# Altium PCB vme64x6U_ctrlc.PcbDoc (part 16 of 16)
Units mm, origin at the board's own origin, x right, y up, seen from the top; angles counter-clockwise.
Board outline 440 x 340 mm, 6 copper layers (TopLayer, PlaneGnd, PlanePwr, MidLayer3, MidLayer4, BottomLayer); 407 components, 1301 nets, 2174 pads, 980 vias.
Unrouted connection lines stored in the file: 264.
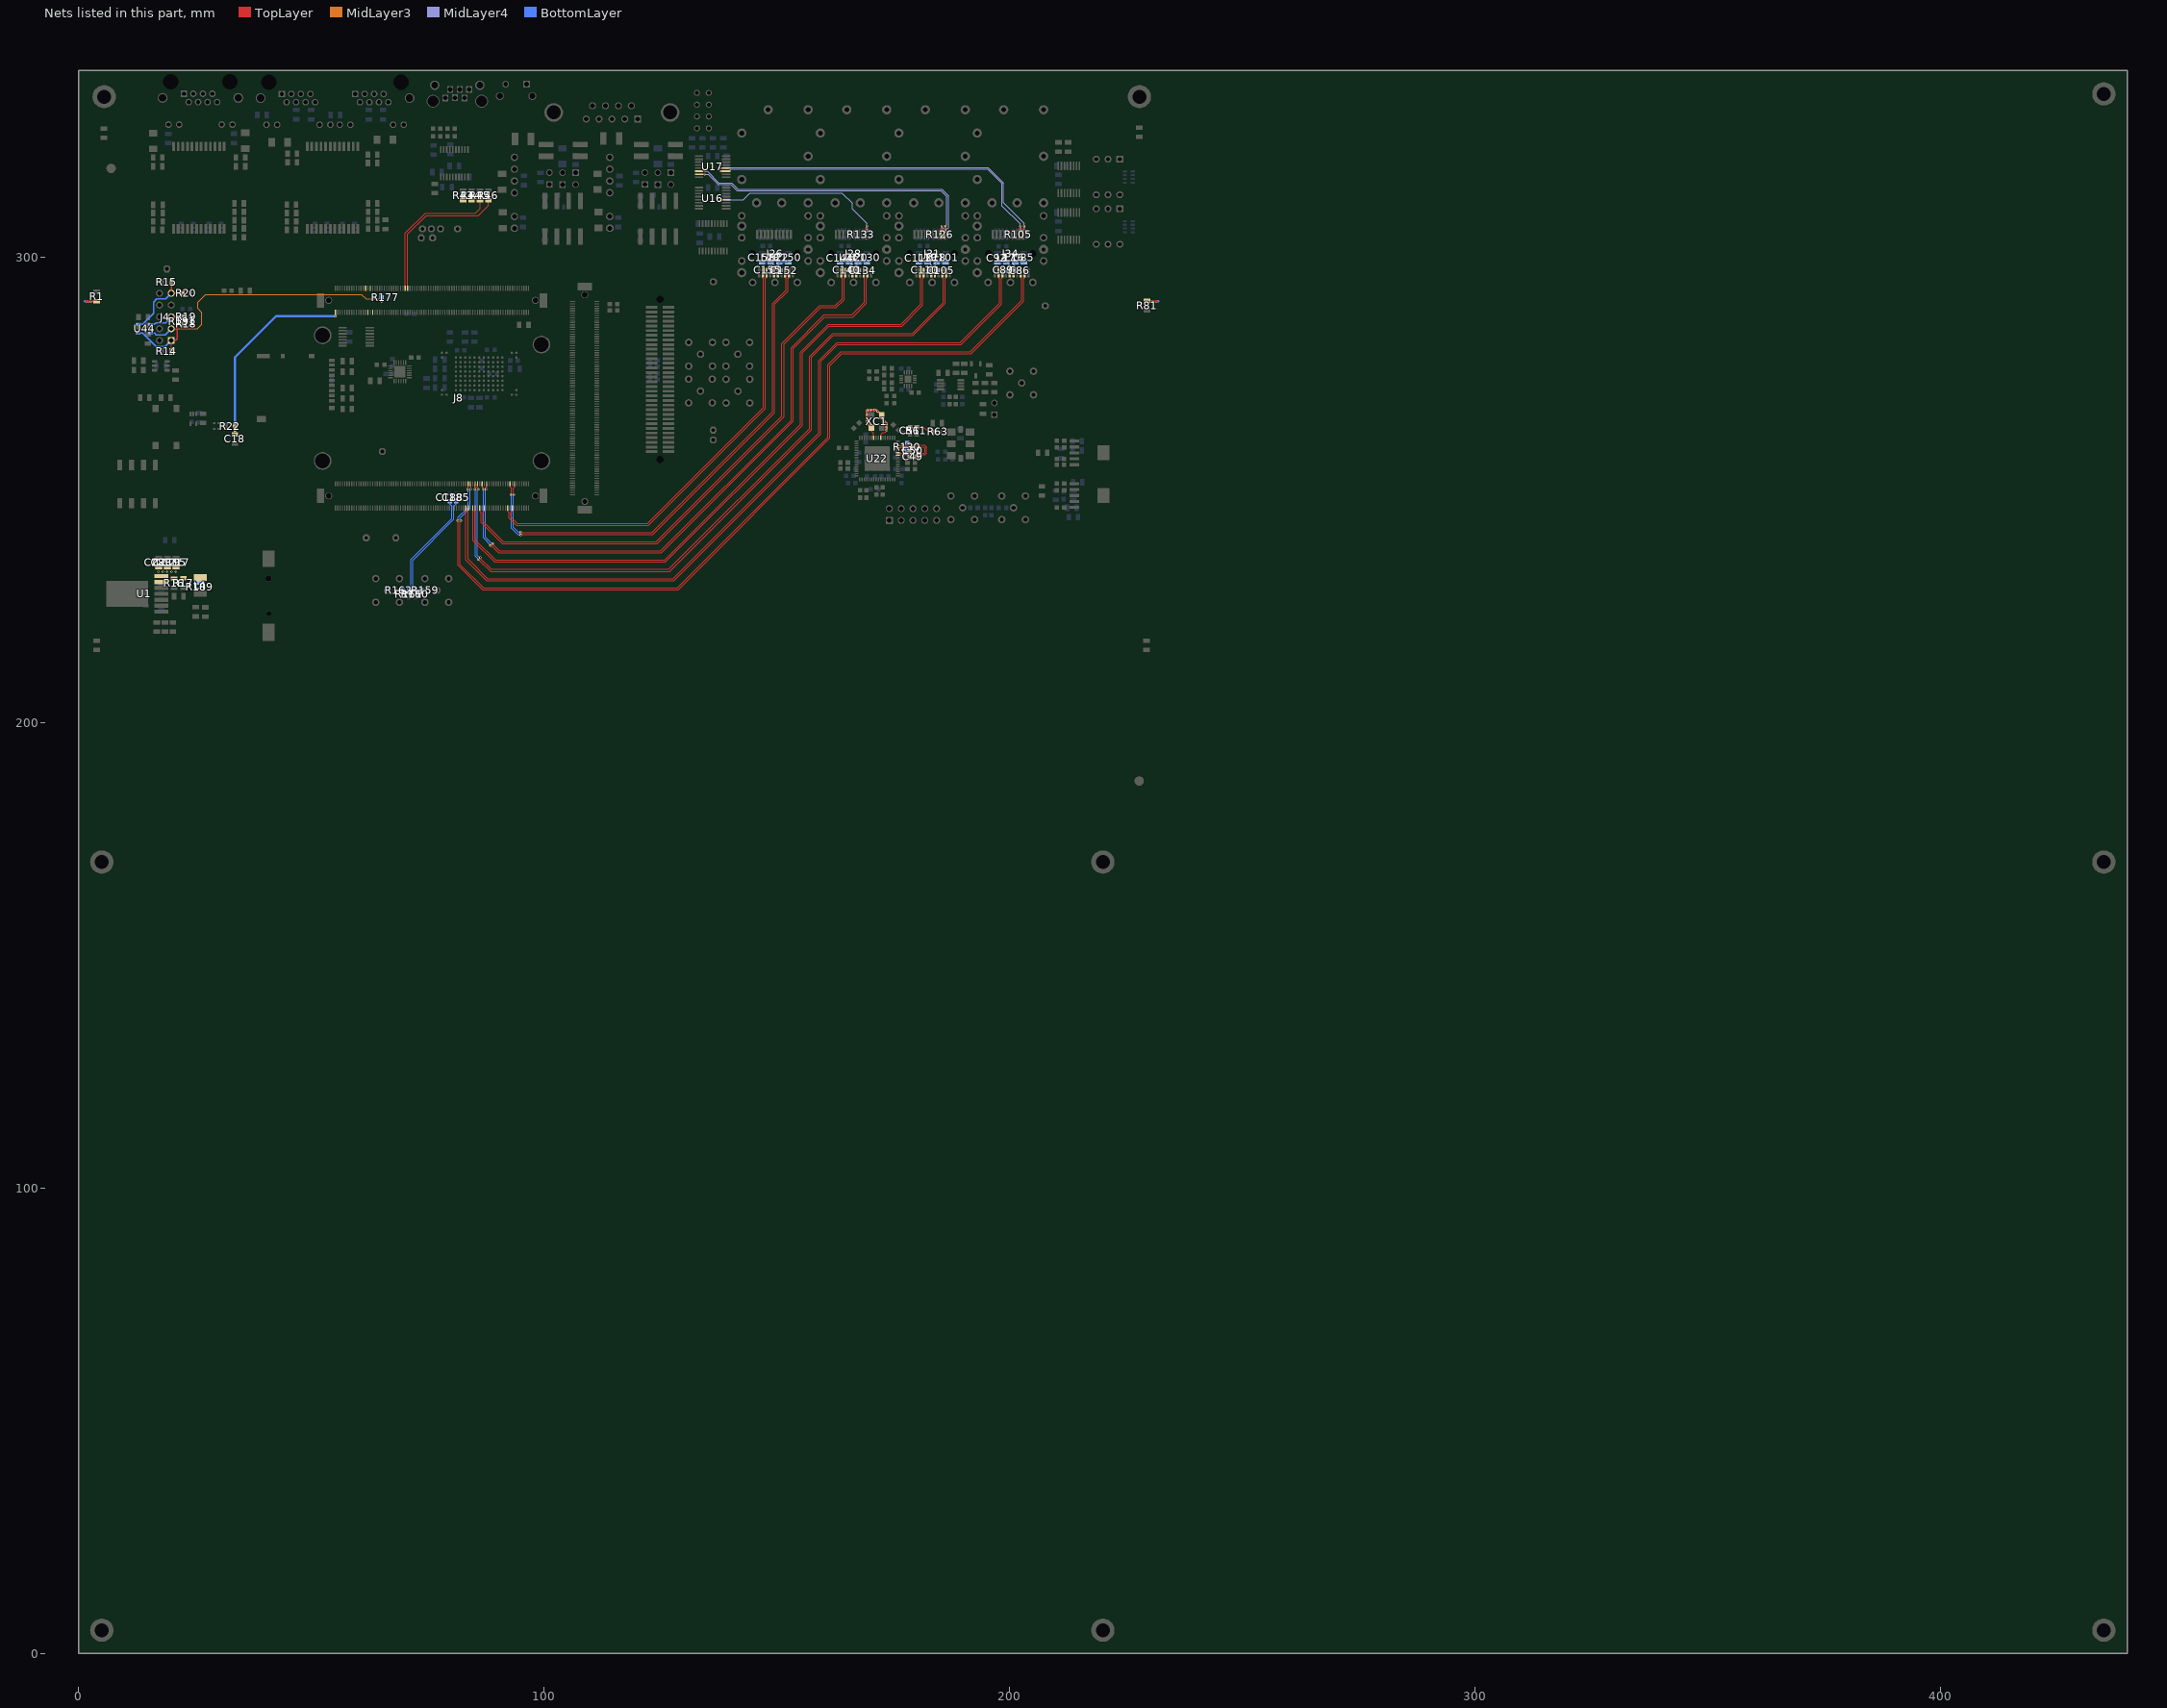
[diagram p20: the nets of this part, all layers, seen from the top]

## Via types
v1: diameter 0.5, hole 0.2, TopLayer to BottomLayer, tented both sides, 980 vias

## Nets (pads, with @x,y where several pads share a name; then routed paths per layer and width w, separated by ;. In a path a pad name is that pad's centre, name@x,y a point inside that pad or via, vN(x,y) a via of type N, cw(c..) or ccw(c..) an arc to the next point about the centre after c; other vN are vias at no path point) (continued)
SFP_IO_1.TxFault: J28.2 R133.8 U16.12 | length 40.6
  TopLayer w0.15: v1(137.6,312.275) U16.12@139.095,312.275
  TopLayer w0.3: J28.2@169.05,304.8 169.05,305.95 169.305,306.205 v1(169.305,306.595)
  MidLayer4 w0.15: v1(137.6,312.275) 142.747,312.275 144.217,313.745 163.833,313.745 163.958,313.745 166.195,311.508 166.195,310.33 169.305,307.22 v1(169.305,306.595)
  BottomLayer w0.15: R133.8@169.305,305.7 v1(169.305,306.595)
SFP_IO_2.TxDis: J31.3 R126.7 U17.6 | length 67.1
  TopLayer w0.15: U17.6@133.4,318.4 v1(134.75,318.4)
  TopLayer w0.3: J31.3@185.125,304.8 185.125,305.95 185.38,306.205 v1(185.38,306.595)
  MidLayer4 w0.15: v1(134.75,318.4) 135.025,318.4 137.53,315.895 140.258,315.895 141.608,314.545 185.383,314.545 186.825,313.103 186.825,307 186.825,306.25 186.65,306.075 185.75,306.075 185.38,306.445 v1(185.38,306.595)
  BottomLayer w0.15: R126.7@185.38,305.7 v1(185.38,306.595)
SFP_IO_2.TxFault: J31.2 R126.8 U17.7 | length 64.4
  TopLayer w0.15: U17.7@133.4,317.75 v1(134.45,317.75)
  TopLayer w0.3: J31.2@185.925,304.8 185.925,305.95 186.18,306.205 v1(186.18,306.595)
  MidLayer4 w0.15: v1(134.45,317.75) 135.2,317.75 137.375,315.575 140.125,315.575 141.475,314.225 185.25,314.225 186.505,312.97 186.505,306.92 v1(186.18,306.595)
  BottomLayer w0.15: R126.8@186.18,305.7 v1(186.18,306.595)
SFP_IO_3.TxDis: J34.3 R105.7 U17.11 | length 76.7
  TopLayer w0.15: v1@137.895,318.4 v1(137.9,318.4) U17.11@139.095,318.4
  TopLayer w0.3: J34.3@202,304.8 202,305.95 202.255,306.205 v1(202.255,306.595)
  MidLayer4 w0.15: v1(137.9,318.4) 139.65,318.4 140.14,318.89 195.24,318.89 198.345,315.785 198.345,310.955 202.255,307.045 v1(202.255,306.595)
  BottomLayer w0.15: R105.7@202.255,305.7 v1(202.255,306.595)
SFP_IO_3.TxFault: J34.2 R105.8 U17.12 | length 77.9
  TopLayer w0.15: v1(137.6,319.05) U17.12@139.095,319.05
  TopLayer w0.3: J34.2@202.8,304.8 202.8,305.95 203.055,306.205 v1(203.055,306.595)
  MidLayer4 w0.15: v1(137.6,319.05) 139.59,319.05 139.75,319.21 195.373,319.21 198.665,315.918 198.665,311.61 203.055,307.22 v1(203.055,306.595)
  BottomLayer w0.15: R105.8@203.055,305.7 v1(203.055,306.595)
SFP_RX_0.IO_N: J8.B20 J26.13 | length 97.7
  TopLayer w0.25: J8.B20@92.175,246.05 92.175,245.375 92.463,245.088 92.463,243.863 94,242.325 122.404,242.325 147.55,267.471 147.55,295.3 147.75,295.5 J26.13@147.75,296.625
SFP_RX_0.IO_P: J8.B16 J26.12 | length 96.3
  TopLayer w0.25: J8.B16@93.175,246.05 93.175,245.375 92.888,245.088 92.888,244.039 94.176,242.75 122.228,242.75 147.125,267.647 147.125,295.325 146.95,295.5 J26.12@146.95,296.625
SFP_RX_1.IO_N: J8.B44 J28.13 | length 119.8
  TopLayer w0.25: J8.B44@86.175,246.05 86.175,245.375 86.463,245.088 86.463,242.963 91.05,238.375 124.25,238.375 151.5,265.625 151.5,281.224 159.351,289.075 162.725,289.075 164.463,290.813 164.463,295.287 164.65,295.475 J28.13@164.65,296.6
SFP_RX_1.IO_P: J8.B40 J28.12 | length 118.4
  TopLayer w0.25: J8.B40@87.175,246.05 87.175,245.375 86.888,245.088 86.888,243.139 91.226,238.8 124.074,238.8 151.075,265.801 151.075,281.4 159.175,289.5 162.549,289.5 164.038,290.989 164.038,295.287 163.85,295.475 J28.12@163.85,296.6
SFP_RX_2.IO_N: J8.B50 J31.13 | length 144.6
  TopLayer w0.25: J8.B50@84.675,246.05 84.675,245.375 84.713,245.338 84.713,239.061 89.349,234.425 126.076,234.425 155.45,263.799 155.45,279.374 161.201,285.125 176.814,285.125 181.313,289.624 181.313,295.262 181.525,295.475 J31.13@181.525,296.6
SFP_RX_2.IO_P: J8.B48 J31.12 | length 143.1
  TopLayer w0.25: J8.B48@85.175,246.05 85.175,245.375 85.138,245.338 85.138,242.663 85.138,239.238 89.525,234.85 125.9,234.85 155.025,263.975 155.025,279.55 161.025,285.55 176.638,285.55 180.888,289.8 180.888,295.312 180.725,295.475 J31.12@180.725,296.6
SFP_RX_3.IO_N: J8.B56 J34.13 | length 168.5
  TopLayer w0.25: J8.B56@83.175,246.05 83.175,245.375 83.213,245.338 83.213,234.911 87.649,230.475 127.894,230.475 159.4,261.981 159.4,277.524 163.051,281.175 189.526,281.175 198.213,289.861 198.213,295.287 198.4,295.475 J34.13@198.4,296.6
SFP_RX_3.IO_P: J8.B54 J34.12 | length 167.1
  TopLayer w0.25: J8.B54@83.675,246.05 83.675,245.375 83.638,245.338 83.638,235.088 87.825,230.9 127.718,230.9 158.975,262.157 158.975,277.7 162.875,281.6 189.35,281.6 197.788,290.038 197.788,295.287 197.6,295.475 J34.12@197.6,296.6
SFP_TX_0.IO_N: J8.B17 J26.19 | length 109.3
  TopLayer w0.25: J8.B17@92.675,251.25 92.675,250.575 92.963,250.288 92.963,249.097 v1(92.84,248.975) ; v1(94.975,240.228) v1@95.098,240.35 ; v1@94.975,240.35 123.33,240.35 149.525,266.545 149.525,289.788 152.388,292.65 152.388,295.287 152.575,295.475 J26.19@152.575,296.6
  BottomLayer w0.25: v1(92.84,248.975) 92.963,248.852 92.963,241.731 94.344,240.35 94.853,240.35 v1(94.975,240.228)
SFP_TX_0.IO_P: J8.B13 J26.18 | length 107.7
  TopLayer w0.25: v1(93.51,248.975) 93.388,249.097 93.388,250.288 93.675,250.575 J8.B13@93.675,251.25 ; v1(94.975,240.898) 95.098,240.775 123.154,240.775 149.1,266.721 149.1,289.964 151.963,292.826 151.963,295.287 151.775,295.475 J26.18@151.775,296.6
  BottomLayer w0.25: v1(93.51,248.975) 93.388,248.852 93.388,241.908 94.52,240.775 94.853,240.775 v1(94.975,240.898)
SFP_TX_1.IO_N: J8.B41 J28.19 | length 133.5
  TopLayer w0.25: J8.B41@86.675,251.25 86.675,250.575 86.849,250.401 v1(86.849,250.075) ; v1(88.451,237.951) 88.625,237.951 90.176,236.4 91.999,236.4 125.164,236.4 153.475,264.711 153.475,280.299 160.276,287.1 166.326,287.1 169.263,290.036 169.263,295.287 169.45,295.475 J28.19@169.45,296.6
  BottomLayer w0.25: v1(86.849,250.075) 86.984,249.939 86.984,239.591 88.451,238.124 v1(88.451,237.951)
SFP_TX_1.IO_P: J8.B37 J28.18 | length 132.1
  TopLayer w0.25: v1(87.545,250.075) 87.545,250.445 87.675,250.575 J8.B37@87.675,251.25 ; v1(88.925,238.425) 88.925,238.252 90.352,236.825 92.175,236.825 124.988,236.825 153.05,264.887 153.05,280.475 160.1,287.525 166.15,287.525 168.838,290.213 168.838,295.287 168.65,295.475 J28.18@168.65,296.6
  BottomLayer w0.25: v1(87.545,250.075) 87.409,249.939 87.409,239.767 88.752,238.425 v1(88.925,238.425)
SFP_TX_2.IO_N: J8.B47 J31.19 | length 157.6
  TopLayer w0.25: v1(85.124,250.075) v1@85.175,250.126 ; J8.B47@85.175,251.25 85.175,250.575 85.213,250.537 v1@85.213,250.075 ; v1(85.838,234.938) 86.011,234.938 88.499,232.45 126.97,232.45 157.425,262.905 157.425,278.449 162.126,283.15 179.264,283.15 186.138,290.024 186.138,295.287 186.325,295.475 J31.19@186.325,296.6
  BottomLayer w0.25: v1(85.124,250.075) 85.259,249.939 85.259,235.69 85.838,235.111 v1(85.838,234.938)
SFP_TX_2.IO_P: J8.B45 J31.18 | length 156.2
  TopLayer w0.25: J8.B45@85.675,251.25 85.675,250.575 85.638,250.537 85.638,250.258 v1(85.82,250.075) ; v1(86.312,235.412) 86.312,235.238 88.675,232.875 89.72,232.875 126.794,232.875 157,263.081 157,278.625 161.95,283.575 179.088,283.575 185.713,290.2 185.713,295.287 185.525,295.475 J31.18@185.525,296.6
  BottomLayer w0.25: v1(85.82,250.075) 85.684,249.939 85.684,235.866 86.138,235.412 v1(86.312,235.412)
SFP_TX_3.IO_N: J8.B53 J34.19 | length 183.2
  TopLayer w0.25: v1(81.428,243.35) 81.55,243.227 81.55,233.724 86.774,228.5 128.8,228.5 161.375,261.075 161.375,276.624 163.951,279.2 191.714,279.2 203.013,290.499 203.013,295.287 203.2,295.475 J34.19@203.2,296.6 ; v1(83.578,250.075) 83.578,250.176 83.675,250.273 83.675,250.575 J8.B53@83.675,251.25
  BottomLayer w0.25: v1(81.428,243.35) 81.55,243.472 81.55,244.049 83.7,246.199 83.7,249.952 v1(83.578,250.075)
SFP_TX_3.IO_P: J8.B51 J34.18 | length 181.8
  TopLayer w0.25: v1(82.098,243.35) 81.975,243.227 81.975,233.9 86.95,228.925 128.624,228.925 160.95,261.251 160.95,276.8 163.775,279.625 191.538,279.625 202.588,290.675 202.588,295.287 202.4,295.475 J34.18@202.4,296.6 ; J8.B51@84.175,251.25 84.175,250.147 v1(84.248,250.075)
  BottomLayer w0.25: v1(82.098,243.35) 81.975,243.472 81.975,243.873 84.125,246.023 84.125,249.952 v1(84.248,250.075)
Start_dDCP+: 
Start_dDCP-: 
Start_hDCP: 
Start_iDCP+: 
Start_iDCP-: 
Start_sDCP+: 
Start_sDCP-: 
StripGND: R1.2 | length 3.4
  TopLayer w0.5: 1.7,290.5 R1.2@3.9,290.5
  BottomLayer w0.5: 1.4,290.5 v1(2.65,290.5)
StripGND_T: R81.2 | length 3.4
  TopLayer w0.5: R81.2@229.45,290.5 231.65,290.5
  BottomLayer w0.5: v1(230.675,290.5) 231.925,290.5
SW: 
Sync_clk: 
SYNC_In: 
SYNC_In_dds: 
SyncClk_dds: 
SyncOut_: 
SyncOut_dds: 
TCK_R: J4.1 R14.1 R18.2 U44.1 | length 16.7
  TopLayer w0.25: R14.1@19.925,279.675 19.925,282.015 J4.1@19.92,282.02 J4.1@19.96,282.06
  TopLayer w0.3: J4.1@19.96,282.06 20.86,282.06 21.225,282.425 21.225,285.25 21.475,285.5 R18.2@22.375,285.5
  BottomLayer w0.3: U44.1@12.835,283.61 13.81,283.61 16.685,280.735 18.635,280.735 J4.1@19.92,282.02
TDI_R: J4.9 R15.1 R20.2 U44.3 | length 16.1
  TopLayer w0.25: J4.9@19.92,292.18 J4.9@19.95,292.21
  TopLayer w0.3: J4.9@19.92,292.18 19.92,294.57 R15.1@19.925,294.575 ; J4.9@19.95,292.21 R20.2@22.36,292.21
  BottomLayer w0.3: U44.3@12.835,285.51 13.76,285.51 16.085,287.835 16.085,290.26 16.76,290.935 18.675,290.935 J4.9@19.92,292.18
TDO_R: J4.3 R177.2 U44.6 | length 58.8
  MidLayer3 w0.15: J4.3@19.92,284.56 25.535,284.56 26.5,285.525 26.5,288.025 25.6,288.925 25.6,290.3 27.25,291.95 60.765,291.95 61.74,290.975 64.5,290.975 v1(65.075,290.4)
  BottomLayer w0.15: v1(65.075,290.4) R177.2@65.075,291.15
  BottomLayer w0.3: U44.6@15.435,283.61 16.335,283.61 16.685,283.26 18.62,283.26 J4.3@19.92,284.56
TMS_R: J4.5 R19.2 R191.1 U44.4 | length 10.1
  TopLayer w0.3: J4.5@19.92,287.1 22.35,287.1 R19.2@22.36,287.11
  BottomLayer w0.3: U44.4@15.435,285.51 16.285,285.51 16.635,285.86 18.68,285.86 J4.5@19.92,287.1 19.945,287.125 R191.1@22.375,287.125
TX_LEMO_N: C185.1 R159.2 R160.1 | length 24.5
  BottomLayer w0.25: R159.2@73.65,228.35 72.35,228.35 R160.1@72.3,228.4 72.3,228.85 71.825,229.325 71.825,234.824 80.638,243.636 80.638,246.438 81.075,246.875 C185.1@81.075,247.475
TX_LEMO_P: C188.1 R161.1 R162.2 | length 24.4
  BottomLayer w0.25: R162.2@69.625,228.35 70.9,228.35 R161.1@70.95,228.4 70.95,228.875 71.4,229.325 71.4,235 80.213,243.813 80.213,246.438 79.775,246.875 C188.1@79.775,247.475
UART_CTS: R44.1
UART_RTS: R43.1
UART_RX: J8.A105 R46.1 | length 32.7
  TopLayer w0.25: J8.A105@70.675,293.25 70.675,304.893 74.657,308.875 85.875,308.875 88.025,311.025 R46.1@88.025,312.175
UART_TX: J8.A107 R45.1 | length 31.9
  TopLayer w0.25: J8.A107@70.175,293.25 70.175,305.1 74.45,309.375 85.225,309.375 86.225,310.375 R45.1@86.225,312.175
USB3_SSRX_N: J8.A141
USB3_SSRX_P: J8.A137
USB3_SSTX_N: J8.A140
USB3_SSTX_P: J8.A136
VBUT: C18.2 J8.A168 R22.1 | length 42.6
  TopLayer w0.2: v1(55.175,287.25) J8.A168@55.175,288.05
  TopLayer w0.25: C18.2@33.6,261.875 C18.2@33.61,261.885 v1(33.61,262.7)
  BottomLayer w0.5: v1@33.6,262.7 33.6,278.4 42.45,287.25 v1(55.175,287.25)
VCCRSFP_U_SFPplusConn_0: C155.2 C158.2 J26.15 L23.2 | length 5.5
  TopLayer w0.25: J26.15@149.375,296.6 v1(149.375,298)
  MidLayer3 w0.15: v1(149.375,298) v1@149.4,298.025
  BottomLayer w0.25: C158.2@146.775,298.825 L23.2@148.655,298.825 148.655,298.72 v1(149.375,298) 148.85,297.475 C155.2@148.85,297.125
VCCRSFP_U_SFPplusConn_1: C140.2 C144.2 J28.15 L21.2 | length 5.6
  TopLayer w0.25: J28.15@166.25,296.6 v1(166.25,298)
  MidLayer3 w0.15: v1(166.25,298) v1@166.275,298.025
  BottomLayer w0.25: C144.2@163.605,298.8 165.505,298.8 L21.2@165.53,298.825 165.53,298.72 v1(166.25,298) 165.725,297.475 C140.2@165.725,297.125
VCCRSFP_U_SFPplusConn_2: C110.2 C113.2 J31.15 L19.2 | length 5.6
  TopLayer w0.25: J31.15@183.125,296.6 v1(183.125,298)
  MidLayer3 w0.15: v1(183.125,298) v1@183.15,298.025
  BottomLayer w0.25: C113.2@180.48,298.8 182.38,298.8 L19.2@182.405,298.825 183.125,298.105 v1(183.125,298) 182.6,297.475 C110.2@182.6,297.125
VCCRSFP_U_SFPplusConn_3: C89.2 C92.2 J34.15 L17.2 | length 5.6
  TopLayer w0.25: J34.15@200,296.6 v1(200,298)
  MidLayer3 w0.15: v1(200,298) v1@200.025,298.025
  BottomLayer w0.25: C92.2@197.355,298.8 197.38,298.825 L17.2@199.28,298.825 199.28,298.72 v1(200,298) 199.475,297.475 C89.2@199.475,297.125
VCCTSFP_U_SFPplusConn_0: C150.2 C152.2 J26.16 L22.2 | length 5.4
  TopLayer w0.25: J26.16@150.175,296.6 v1(150.175,298.025)
  BottomLayer w0.3: C152.2@150.7,297.1 150.7,297.5 v1(150.175,298.025) 150.53,298.38 L22.2@150.53,298.825 C150.2@152.425,298.825
VCCTSFP_U_SFPplusConn_1: C130.2 C134.2 J28.16 L20.2 | length 5.4
  TopLayer w0.25: J28.16@167.05,296.6 v1(167.05,298.025)
  BottomLayer w0.25: C134.2@167.575,297.1 167.575,297.5 v1(167.05,298.025) 167.405,298.38 L20.2@167.405,298.825 C130.2@169.305,298.825
VCCTSFP_U_SFPplusConn_2: C101.2 C105.2 J31.16 L18.2 | length 5.4
  TopLayer w0.25: J31.16@183.925,296.6 v1(183.925,298.025)
  BottomLayer w0.25: C105.2@184.45,297.1 184.45,297.5 v1(183.925,298.025) 184.28,298.38 L18.2@184.28,298.825 C101.2@186.18,298.825
VCCTSFP_U_SFPplusConn_3: C85.2 C86.2 J34.16 L16.2 | length 5.4
  TopLayer w0.25: J34.16@200.8,296.6 v1(200.8,298.025)
  BottomLayer w0.25: C86.2@201.325,297.1 201.325,297.5 v1(200.8,298.025) 201.155,298.38 L16.2@201.155,298.825 C85.2@203.055,298.825
VD_TMP: C8.2 C11.2 C15.1 C217.2 C219.1 C223.1 L4.1 R16.1 R17.1 R189.2 U1.6 U1.7
  other v1: 17.175,232.355 18.125,232.355 19.05,232.355 19.975,232.355 20.925,232.355
XGND: U22.7 U22.10 XC1.2 XC1.4 | length 16.3
  TopLayer w0.25: XC1.4@170.325,263.3 170.325,262.5 170.775,262.05 U22.10@170.775,261.125 ; U22.7@172.275,261.125 172.275,261.775 172.725,262.225 173.25,262.225 173.575,262.55 v1(173.575,262.775)
  TopLayer w0.5: XC1.4@170.325,263.3 169.275,264.35 169.275,266.875 169.525,267.125 171.3,267.125 XC1.2@172.525,265.9 172.525,265.2 v1(173.575,264.15) v1(173.575,262.775)
  other v1: 173.575,263.425 169.275,264.6 173.05,264.675 169.275,265.4 169.275,266.225 171.6,266.825 169.375,267 170.975,267.125 170.125,267.15
XTAL: C51.1 R61.1 R63.2 | length 5.6
  TopLayer w0.25: C51.1@178.625,263.425 R61.1@180,263.425 181.5,263.425 182.5,262.425 R63.2@183.825,262.425
ZDIN_N: C49.2 R130.1 U22.62 | length 11.1
  TopLayer w0.15: U22.62@175.975,259.425 176.475,259.425 176.563,259.338 176.928,259.338 v1(177.1,259.51) ; 177.275,259.325 177.49,259.325 177.69,259.525 181.685,259.525 182.15,259.06 182.15,257.865 181.797,257.512 180.538,257.512 C49.2@180.075,257.05
  BottomLayer w0.15: v1(177.1,259.51) 177.56,259.51 R130.1@178.025,259.975
ZDIN_P: C50.2 R130.2 U22.61 | length 10
  TopLayer w0.15: U22.61@175.975,258.925 176.475,258.925 176.563,259.013 176.928,259.013 v1(177.1,258.84) ; v1@177.275,259 177.625,259 177.825,259.2 181.55,259.2 181.825,258.925 181.825,258 181.663,257.838 180.538,257.838 C50.2@180.075,258.3
  BottomLayer w0.15: v1(177.1,258.84) 177.56,258.84 R130.2@178.025,258.375
ZDO_N: C49.1 U22.58 | length 2.7
  TopLayer w0.15: U22.58@175.975,257.425 176.475,257.425 176.563,257.513 178.013,257.513 C49.1@178.475,257.05
ZDO_P: C50.1 U22.59 | length 2.7
  TopLayer w0.15: U22.59@175.975,257.925 176.475,257.925 176.563,257.838 178.013,257.838 C50.1@178.475,258.3
pads on no net: J2.6 J4.7 J4.8 J5.MH1 J5.MH2 J6.0 J7.11A J7.11B J7.12A J7.12B J7.MH1 J7.MH2 J8.0 J8.A102 J8.A114 J8.A115 J8.A116 J8.A118 J8.A122 J8.A127 J8.A128 J8.A129 J8.A131 J8.A133 J8.B8 J8.B167 J8.B168 J8.C8 J13.6 J13.9 J26.MTG1 J26.MTG2 J28.MTG1 J28.MTG2 J31.MTG1 J31.MTG2 J34.MTG1 J34.MTG2 P1.65 P1.66 U5.3 U7.8 U7.10 U7.12 U11.11 U11.14 U12.5 U12.7 U14.5 U14.7 U22.5 U23.3 U23.4 U23.5 U23.6 U23.15 U27.1 U27.5 U40.5 U41.5 U42.5 U43.5

## Polygon pours and split planes (outlines as drawn)
GND on BottomLayer "GND_BOT" (solid, remove dead copper, pour order 52): 230.225,336.575 9.725,336.575 9.725,327.05 3.125,327.05 3.125,178.725 230.225,178.725
VD_TMP on BottomLayer "VD_TMP_BOT" (solid, pour order 46): 15.675,234.325 27.6,234.325 27.6,229.25 24.425,229.25 24.425,231.4 15.675,231.4
+3.3VD on BottomLayer "LMZ_3VD3_BOT" (solid, pour order 50): 23.8,225.25 28.3,225.25 28.3,228.725 23.8,228.725
MGND on BottomLayer "BOT_SLD_RIGHT" (solid, remove dead copper, pour order 42): 232.575,337.675 222.9,337.675 222.9,327.25 232.575,327.25
MGND on BottomLayer "BOT_SLD_LEFT" (solid, remove dead copper, pour order 40): 0.775,337.675 9.7,337.675 9.7,327.05 0.775,327.05
GND on TopLayer "GND_TOP" (solid, remove dead copper, pour order 58): 230.225,336.575 9.725,336.575 9.725,327.05 3.125,327.05 3.125,178.7 230.225,178.7
+3.3VD on TopLayer "LMZ_3VD3_TOP" (solid, pour order 48): 23.8,223.75 28.3,223.75 28.3,228.875 23.8,228.875
VD_TMP on TopLayer "VD_TMP" (solid, pour order 30): 15.66,229.86 15.66,234.335 17.293,234.335 28.275,234.335 28.275,229.375 23.8,229.375 23.8,229.86
MGND on TopLayer "TOP_SLD_RIGHT" (solid, remove dead copper, pour order 44): 232.6,337.675 223.35,337.675 223.35,327.05 232.6,327.05
MGND on TopLayer "TOP_SLD_LEFT" (solid, remove dead copper, pour order 38): 0.75,337.675 9.725,337.675 9.725,327.05 0.75,327.05
GND on MidLayer4 "GND_MID4" (solid, remove dead copper, pour order 56): 230.225,336.575 9.725,336.575 9.725,327.05 3.125,327.05 3.125,178.725 230.225,178.725
GND on MidLayer3 "GND_MID3" (solid, remove dead copper, pour order 54): 230.225,336.575 9.725,336.575 9.725,327.05 3.125,327.05 3.125,178.725 230.225,178.725
GND on PlaneGnd (split plane): 439.49,0.51 0.51,0.51 0.51,217.4 2.25,217.4 2.25,326.923 14.198,326.923 14.198,321.3 14.205,321.248 14.225,321.199 14.257,321.157 14.299,321.125 14.348,321.105 14.4,321.098 73.6,321.098 73.652,321.105 73.701,321.125 73.743,321.157 73.775,321.199 73.795,321.248 73.802,321.3 73.802,330.548 88.698,330.548 88.698,327.65 88.698,311.05 88.698,310.275 88.705,310.223 88.725,310.174 88.757,310.132 88.799,310.1 88.848,310.08 88.9,310.073 98.9,310.073 98.9,307.75 108.925,307.75 108.925,310.073 119.375,310.073 119.375,307.75 129.4,307.75 129.4,310.073 130.15,310.073 130.202,310.08 130.251,310.1 130.293,310.132 130.325,310.174 130.345,310.223 130.352,310.275 130.352,327.448 131.175,327.448 131.227,327.455 131.276,327.475 131.318,327.507 131.35,327.549 131.37,327.598 131.377,327.65 131.377,336.373 219.748,336.373 219.748,327.05 219.755,326.998 219.775,326.949 219.807,326.907 219.849,326.875 219.898,326.855 219.95,326.848 231.1,326.848 231.1,217.4 233.6,217.4 233.6,326.848 233.652,326.855 233.701,326.875 233.743,326.907 233.775,326.949 233.795,326.998 233.802,327.05 233.802,329.5 233.795,329.552 233.775,329.601 233.743,329.643 233.701,329.675 233.652,329.695 233.6,329.702 233.548,329.695 233.499,329.675 233.457,329.643 233.425,329.601 233.405,329.552 233.398,329.5 233.398,327.252 220.152,327.252 220.152,336.575 220.145,336.627 220.125,336.676 220.093,336.718 220.051,336.75 220.002,336.77 219.95,336.777 131.175,336.777 131.123,336.77 131.074,336.75 131.032,336.718 131,336.676 130.98,336.627 130.973,336.575 130.973,327.852 130.246,327.852 130.202,327.87 130.15,327.877 130.098,327.87 130.054,327.852 121.4,327.852 121.4,333.5 110.475,333.5 110.475,327.852 89.102,327.852 89.102,330.75 89.095,330.802 89.075,330.851 89.043,330.893 89.001,330.925 88.952,330.945 88.9,330.952 73.6,330.952 73.548,330.945 73.499,330.925 73.457,330.893 73.425,330.851 73.405,330.802 73.398,330.75 73.398,321.502 14.602,321.502 14.602,327.125 14.595,327.177 14.575,327.226 14.543,327.268 14.501,327.3 14.452,327.32 14.4,327.327 0.51,327.327 0.51,339.49 439.49,339.49
CAN_GND_U_can_phy1 on PlaneGnd (split plane): 109.348,310.477 108.925,310.477 108.925,311 98.9,311 98.9,310.477 89.102,310.477 89.102,323.2 109.348,323.2
XGND on PlaneGnd (split plane): 173.946,264.971 173.946,262.179 173.771,262.004 171.154,262.004 168.855,264.304 168.855,267.521 171.396,267.521
CAN_GND_U_can_phy2 on PlaneGnd (split plane): 129.948,310.477 129.4,310.477 129.4,311 119.375,311 119.375,310.477 109.752,310.477 109.752,323.2 129.948,323.2
GEPAD on PlaneGnd (split plane): 178.921,272.929 177.355,272.929 177.355,274.496 178.921,274.496
no net on PlanePwr (split plane): 21.698,220.352 4.05,220.352 3.998,220.345 3.949,220.325 3.907,220.293 3.875,220.251 3.855,220.202 3.848,220.15 3.848,197.9 3.848,190.252 0.51,190.252 0.51,217.4 2.25,217.4 2.25,223.573 21.698,223.573
no net on PlanePwr (split plane): 505 vertices, not listed, extent 0.51,0.51 439.49,339.49
no net on PlanePwr (split plane): 9.75,338.25 0.51,338.25 0.51,339.49 9.75,339.49
+3V3MOD on PlanePwr (split plane): 259 vertices, not listed, extent 51.802,245.327 111.348,293.098
+2V5MOD on PlanePwr (split plane): 462 vertices, not listed, extent 45.902,238.227 177.398,295.423
+1V8MOD on PlanePwr (split plane): 85.323,243.552 71.95,243.552 71.898,243.545 71.849,243.525 71.807,243.493 71.775,243.451 71.755,243.402 71.748,243.35 71.748,238.202 63.877,238.202 63.877,247.348 66.248,247.348 66.248,246.85 66.255,246.798 66.275,246.749 66.307,246.707 66.349,246.675 66.398,246.655 66.45,246.648 68.875,246.648 68.927,246.655 68.976,246.675 69.018,246.707 69.05,246.749 69.07,246.798 69.077,246.85 69.077,247.348 71.223,247.348 71.223,246.85 71.23,246.798 71.25,246.749 71.282,246.707 71.324,246.675 71.373,246.655 71.425,246.648 73.973,246.648 73.973,246.1 73.98,246.048 74,245.999 74.032,245.957 74.074,245.925 74.123,245.905 74.175,245.898 76.675,245.898 76.727,245.905 76.776,245.925 76.818,245.957 76.85,245.999 76.87,246.048 76.877,246.1 76.877,247.523 79.373,247.523 79.373,244.4 79.38,244.348 79.4,244.299 79.432,244.257 79.474,244.225 79.523,244.205 79.575,244.198 82.6,244.198 82.652,244.205 82.701,244.225 82.743,244.257 82.775,244.299 82.795,244.348 82.802,244.4 82.802,247.673 85.323,247.673
1V8DPLL on PlanePwr (split plane): 178.523,252.525 178.53,252.473 178.55,252.424 178.582,252.382 178.624,252.35 178.673,252.33 178.725,252.323 211.398,252.323 211.398,250.725 211.398,248.927 208.802,248.927 208.802,249.95 208.795,250.002 208.775,250.051 208.743,250.093 208.701,250.125 208.652,250.145 208.6,250.152 180.3,250.152 180.248,250.145 180.199,250.125 180.157,250.093 180.125,250.051 180.105,250.002 180.098,249.95 180.098,248.352 162.302,248.352 162.302,256.223 166.923,256.223 166.923,252.302 166.4,252.302 166.348,252.295 166.299,252.275 166.257,252.243 166.225,252.201 166.205,252.152 166.198,252.1 166.198,250.6 166.205,250.548 166.225,250.499 166.257,250.457 166.299,250.425 166.348,250.405 166.4,250.398 169.05,250.398 169.102,250.405 169.151,250.425 169.193,250.457 169.225,250.499 169.245,250.548 169.252,250.6 169.252,251.548 173.6,251.548 173.652,251.555 173.701,251.575 173.743,251.607 173.775,251.649 173.795,251.698 173.802,251.75 173.802,253.523 175.298,253.523 175.298,251.8 175.305,251.748 175.325,251.699 175.357,251.657 175.399,251.625 175.448,251.605 175.5,251.598 177.6,251.598 177.652,251.605 177.701,251.625 177.743,251.657 177.775,251.699 177.795,251.748 177.802,251.8 177.802,254.1 177.795,254.152 177.775,254.201 177.743,254.243 177.701,254.275 177.652,254.295 177.6,254.302 177.51,254.302 177.51,257.675 177.504,257.727 177.483,257.776 177.451,257.818 177.41,257.85 177.361,257.87 177.309,257.877 173.852,257.877 173.852,258.925 173.852,260.023 178.523,260.023
+5V_CAN_U_can_phy1 on PlanePwr (split plane): 109.298,311.277 89.102,311.277 89.102,323.198 109.298,323.198
3V3DPLL on PlanePwr (split plane): 180.623,255.625 180.63,255.573 180.65,255.524 180.682,255.482 180.724,255.45 180.773,255.43 180.825,255.423 201.125,255.423 201.177,255.43 201.226,255.45 201.268,255.482 201.3,255.524 201.32,255.573 201.327,255.625 201.327,259.598 206.898,259.598 206.898,252.727 178.927,252.727 178.927,260.225 178.92,260.277 178.9,260.326 178.868,260.368 178.826,260.4 178.777,260.42 178.725,260.427 173.65,260.427 173.598,260.42 173.549,260.4 173.507,260.368 173.475,260.326 173.455,260.277 173.448,260.225 173.448,259.127 167.277,259.127 167.277,261.898 180.623,261.898
+5V_CAN_U_can_phy2 on PlanePwr (split plane): 129.973,311.277 109.702,311.277 109.702,323.198 129.973,323.198

## Other copper
TopLayer:
  region net ChasisGND_T: 232.6,218.25 231.1,218.25 231.1,179.95 232.6,179.95
  region net StripGND_T: 232.6,293.25 231.1,293.25 231.1,238.25 232.6,238.25
  region net MGND: 232.6,329.95 231.1,329.95 231.1,298.25 232.6,298.25
  rectangle net MGND: 0.75,298.25 2.25,328.375
  rectangle net StripGND: 0.75,238.25 2.25,293.25
  rectangle net ChasisGND: 0.75,179.95 2.25,218.25
  region net +5VME: 20.635,222.46 20.635,222.96 16.21,222.96 16.21,222.46
  pour cut-out: 46.756,309.682 62.151,309.685 62.151,307.939 62.205,307.885 62.205,307.178 46.751,307.178
  pour cut-out: 18.061,309.682 33.456,309.685 33.456,307.939 33.51,307.885 33.51,307.178 18.056,307.178
  pour cut-out: 167.51,252.66 167.51,260.71 175.56,260.71 175.56,252.66
  pour cut-out: 15.52,306.485 18.59,306.485 18.59,304.735 15.52,304.735
  pour cut-out: 32.97,306.71 36.04,306.71 36.04,304.31 32.97,304.31
  pour cut-out: 44.24,308.285 47.31,308.285 47.31,305.9 44.24,305.9
  pour cut-out: 61.735,308.61 65.76,308.61 65.76,306.21 61.735,306.21
  pour cut-out: 77.61,323.785 83.81,323.785 83.81,316.435 77.61,316.435
  pour cut-out: 3.125,326.625 3.125,327.05 14.426,327.05 14.426,326.625
  pour cut-out: 219.851,326.625 219.851,327.05 231.101,327.05 231.101,326.625
  pour cut-out: 95.06,280.385 92.399,280.385 92.399,279.375 92.438,279.375 92.438,279.036 93.699,277.775 95.06,277.775
  pour cut-out: 95.06,269.365 92.399,269.365 92.399,270.375 92.438,270.375 92.438,270.714 93.699,271.975 95.06,271.975
  pour cut-out: 77.04,280.385 79.701,280.385 79.701,279.375 79.662,279.375 79.662,279.036 78.401,277.775 77.04,277.775
  pour cut-out: 77.04,269.365 79.701,269.365 79.701,270.375 79.662,270.375 79.662,270.714 78.401,271.975 77.04,271.975
  pour cut-out: 80.051,279.393 80.051,270.365 92.06,270.365 92.06,279.383
  pour cut-out: 54.801,278.425 55.676,278.425 55.876,278.625 56.301,278.625 56.301,266.675 54.801,266.675
  pour cut-out: 87.219,245.724
  pour cut-out: 203.013,295.525 204.263,295.525 204.263,289.949 192.514,278.2 164.751,278.2 162.625,276.074 162.625,260.525 129.35,227.25 86.23,227.25 80.3,233.18 80.3,245.724 94.138,245.724 94.138,244.589 94.726,244 121.678,244 145.875,268.197 145.875,295.647 146.015,295.787 153.638,295.787 153.638,292.2 150.775,289.337 150.775,282.8 158.725,290.75 161.999,290.75 162.788,291.539 162.788,296 170.538,296 170.538,289.511 167.813,286.786 176.074,286.786 179.638,290.35 179.638,295.8 187.388,295.8 187.388,289.474 181.514,283.6 181.514,282.85 188.8,282.85 196.538,290.587 196.538,295.538
  pour cut-out: 129.501,311.075 129.501,307.4 119.8,307.4 119.8,311.075
  pour cut-out: 108.75,311.075 108.75,307.4 99.325,307.4 99.325,311.075
  pour cut-out: 9.726,326.625 14.4,326.625 14.4,312.2 73.625,312.2 73.625,330.725 88.95,330.725 88.95,311.075 130.276,311.075 130.276,327.675 131.175,327.675 131.175,336.575 219.85,336.575 219.85,326.625 223.35,326.625 223.35,340.25 9.7,340.25
  pour cut-out: 3.125,327.05 -0.25,327.05 -0.25,177.75 3.125,177.75
  pour cut-out: 230.225,327.05 233.6,327.05 233.6,177.75 230.225,177.75
  pour cut-out: -0.25,327.175
MidLayer3:
  pour cut-out: 18.556,312.578 33.056,312.578 33.056,308.978 18.556,308.978
  pour cut-out: 47.251,312.578 61.751,312.578 61.751,308.978 47.251,308.978
  pour cut-out: 129.225,311.075 129.225,307.4 119.8,307.4 119.8,311.075
  pour cut-out: 108.75,311.075 108.75,307.4 99.325,307.4 99.325,311.075
  pour cut-out: 9.725,327.05 14.4,327.05 14.4,312.2 73.625,312.2 73.625,330.725 88.95,330.725 88.95,311.075 130.025,311.075 130.025,327.675 131.175,327.675 131.175,336.575 219.85,336.575 219.85,327.225 233.6,327.225 233.6,340.25 9.7,340.25
  pour cut-out: 168.6,267.775 171.5,267.775 174.2,265.075 174.2,261.75 170.9,261.75 168.6,264.05
MidLayer4:
  pour cut-out: 47.251,312.578 61.751,312.578 61.751,308.978 47.251,308.978
  pour cut-out: 18.556,312.578 33.056,312.578 33.056,308.978 18.556,308.978
  pour cut-out: 129.225,311.075 129.225,307.4 119.8,307.4 119.8,311.075
  pour cut-out: 108.75,311.075 108.75,307.4 99.325,307.4 99.325,311.075
  pour cut-out: 9.725,327.05 14.4,327.05 14.4,312.2 73.625,312.2 73.625,330.725 88.95,330.725 88.95,311.075 130.025,311.075 130.025,327.675 131.175,327.675 131.175,336.575 219.85,336.575 219.85,327.225 233.6,327.225 233.6,340.25 9.7,340.25
  pour cut-out: 168.6,267.775 171.5,267.775 174.2,265.075 174.2,261.75 170.9,261.75 168.6,264.05
BottomLayer:
  region net MGND: 232.6,330.1 231.1,330.1 231.1,298.25 232.6,298.25
  region net StripGND_T: 232.6,293.25 231.1,293.25 231.1,238.25 232.6,238.25
  region net ChasisGND_T: 232.6,218.25 231.1,218.25 231.1,179.95 232.6,179.95
  rectangle net ChasisGND: 0.75,179.95 2.25,218.25
  rectangle net StripGND: 0.75,238.25 2.25,293.25
  rectangle net MGND: 0.75,298.25 2.25,328.45
  pour cut-out: 47.251,312.578 61.751,312.578 61.751,308.978 47.251,308.978
  pour cut-out: 18.556,312.578 33.056,312.578 33.056,308.978 18.556,308.978
  pour cut-out: 196.335,306.145 196.335,307.105 203.635,307.105 203.635,306.12
  pour cut-out: 179.46,306.145 179.46,307.105 186.76,307.105 186.76,306.12
  pour cut-out: 162.585,306.145 162.585,307.105 169.885,307.105 169.885,306.12
  pour cut-out: 145.71,306.145 145.71,307.105 153.01,307.105 153.01,306.12
  pour cut-out: 130.7,326.325 130.7,322.67 135.335,322.67 135.335,320.72 136.635,320.72 136.635,322.495 139.55,322.495 139.55,326.32 133.585,326.32 133.585,327.345 132.183,327.345 132.183,326.325
  pour cut-out: 169.735,251.995 176.26,251.995 176.26,254.295 169.735,254.295
  pour cut-out: 169.71,254.32
  pour cut-out: 108.75,311.075 108.75,307.4 99.325,307.4 99.325,311.075
  pour cut-out: 129.225,311.075 129.225,307.4 119.8,307.4 119.8,311.075
  pour cut-out: 80.55,278.875 85.55,278.875 85.55,276.599 84.983,276.032 84.983,271.125 80.55,271.125
  pour cut-out: 230.225,327.05 233.6,327.05 233.6,177.75 230.225,177.75
  pour cut-out: 9.726,326.675 14.4,326.675 14.4,312.2 73.625,312.2 73.625,330.725 88.95,330.725 88.95,311.075 130.025,311.075 130.025,327.675 130.785,327.675 130.785,336.575 219.85,336.575 219.85,326.85 223.35,326.85 223.35,340.25 9.7,340.25
  pour cut-out: 3.125,327.05 -0.25,327.05 -0.25,177.75 3.125,177.75
  pour cut-out: 168.6,267.775 171.5,267.775 174.2,265.075 174.2,261.75 170.9,261.75 168.6,264.05
PlaneGnd (plane layer: these items are gaps in the copper):
  rectangle: 119.375,307.75 129.4,311
  rectangle: 98.9,307.75 108.925,311
  region: 2.25,327.05 -0.25,327.05 -0.25,217.4 2.25,217.4
  rectangle: 231.1,217.4 233.6,327.05
  rectangle: 88.9,323.2 130.15,327.65
  rectangle: 110.475,324.925 121.4,333.5
  lines w0.254: 168.725,264.25 171.1,261.875 173.825,261.875 174.075,262.125 174.075,265.025 171.45,267.65 168.725,267.65 168.725,264.25 ; 177.225,272.8 177.225,274.625 177.475,274.625 179.05,274.625 179.05,272.8 177.225,272.8
  lines w0.4: -0.25,328.875 -0.25,327.125 14.4,327.125 14.4,321.3 73.6,321.3 73.6,330.75 88.9,330.75 88.9,310.275 130.15,310.275 130.15,327.675 ; 88.9,311.05 88.9,327.65 131.175,327.65 131.175,336.575 219.95,336.575 219.95,327.05 233.6,327.05 233.6,329.5 ; 109.55,310.275 109.55,327.65
PlanePwr (plane layer: these items are gaps in the copper):
  rectangle: 119.375,307.775 129.4,311
  rectangle: 98.9,307.775 108.925,311
  rectangle: 220.075,327.025 233.35,338.25
  rectangle: 128.675,336.55 223.325,340.225
  rectangle: 0,327.05 15.1,338.25
  rectangle: 14.4,312.125 73.65,338.05
  rectangle: 9.75,330.3 89.525,340.225
  rectangle: 88.9,323.4 130.325,339.825
  region: 2.25,327.225 -0.25,327.225 -0.25,217.4 2.25,217.4
  rectangle: 231.1,217.4 233.6,327.225
  pour cut-out: 168.725,267.675 171.45,267.675 174.05,265.075 174.05,262.1 170.75,262.1 168.725,264.125
  lines w0.4: -0.25,223.775 21.9,223.775 21.9,220.15 4.05,220.15 4.05,197.9 4.05,189.975 ; 63.675,240.675 63.675,238.025 55.3,238.025 45.7,247.625 45.7,289.025 50.95,294.275 75.825,294.275 76.175,293.925 76.175,292.45 77.65,290.975 77.65,288.725 78.25,288.125 79.4,288.125 80.175,288.9 80.175,289.025 79.175,290.025 79.175,294.625 82.175,294.625 85.425,294.625 85.425,292.2 86.225,291.4 86.225,290.4 86.725,289.9 86.725,288.6 86.175,288.05 ; 74.175,285.45 74.175,289.425 76.3,289.425 76.3,287.925 76.3,283.225 83.175,283.225 83.175,289.675 85,289.675 85.5,289.175 85.5,288.725 86.175,288.05 ; 74.175,285.95 74.175,283.188 63.9,283.188 57.938,283.188 51.6,276.85 51.6,269.55 56.675,264.475 56.675,246.85 57.675,246.85 57.675,245.125 60.675,245.125 60.675,248.35 59.675,248.35 59.675,252.425 62.675,252.425 62.675,250.4 62.675,249.375 70.675,249.375 70.675,251.2 71.675,251.2 71.675,255.65 76.175,255.65 76.175,251.35 75.675,251.35 75.675,249.55 75.675,249.175 77.7,249.175 78.65,250.125 78.65,251.1 77.825,251.925 77.825,252.875 78.175,253.225 81.375,253.225 83.078,251.522 84.675,251.522 84.675,264.175 95.875,264.175 103.1,271.4 107.925,271.4 107.925,273.45 111.55,273.45 111.55,275.425 103.025,275.425 103.025,281.4 103.575,281.4 107.975,281.4 107.975,283.5 111.35,283.5 111.35,285.175 102.45,285.175 101.825,284.55 92.175,284.55 92.175,289.9 91.175,289.9 91.175,292.475 90.35,293.3 89.05,293.3 88.925,293.175 88.925,290.625 89.75,290.625 89.75,287.95 89.175,287.95 ; 85.525,244.45 113,244.45 124.975,256.425 167.125,256.425 167.125,252.1 166.4,252.1 166.4,250.6 169.05,250.6 169.05,251.75 173.6,251.75 173.6,253.725 175.5,253.725 175.5,251.8 177.6,251.8 177.6,254.1 177.309,254.1 177.309,257.675 174.6,257.675 173.65,257.675 173.65,258.925 ; 86.175,287.25 86.175,288.05 ; 88.925,292.45 88.275,292.45 87.175,293.55 87.175,295.625 93.675,295.625 ; 89.175,287.25 89.175,287.95 ; 109.55,323.4 88.9,323.4 88.9,311.075 109.5,311.075 ; 121.425,294.475 121.425,273.075 135.575,258.925 138.7,258.925 173.65,258.925 ; 162.1,256.425 162.1,248.15 180.3,248.15 180.3,249.95 208.6,249.95 208.6,248.725 211.6,248.725 211.6,250.725 211.6,252.525 ; 167.075,258.925 167.075,262.1 180.825,262.1 180.825,255.625 201.125,255.625 201.125,259.671 ; 201.125,259.8 207.1,259.8 207.1,252.525 211.6,252.525 ; 220,192.475 221.575,192.475 221.575,190.775 222.425,189.925 224.775,189.925 224.775,193.5 230.225,193.5 230.225,212.2 228.5,212.2 228.5,294.5 98.125,294.5 98.125,286.475 93.675,286.475 93.675,303.85 91.1,303.85 91.1,308.6 96.175,308.6 ; 233.575,302.125 233.05,301.6 117.275,301.6 117.275,308.65 111.15,308.65 111.15,301.875 110.775,301.875 96.2,301.875 96.2,308.6 ; 86.175,288.05 86.175,279.875 75.85,279.875 75.85,279.525 60.25,279.525 54.125,273.4 54.125,271.725 55.975,269.875 77.55,269.875 94.55,269.875 94.55,279.875 89.175,279.875 89.175,287.95 ; 96.175,308.6 96.2,308.6 ; 96.175,308.6 96.2,308.6 ; 109.5,311.075 109.5,323.4 130.175,323.4 130.175,311.075 109.5,311.075 ; 173.65,258.925 173.65,260.225 178.725,260.225 178.725,252.525 211.6,252.525 ; 63.675,238 63.675,247.55 66.45,247.55 66.45,246.85 68.875,246.85 68.875,247.55 71.425,247.55 71.425,246.85 74.175,246.85 74.175,246.1 76.675,246.1 76.675,247.725 79.575,247.725 79.575,244.4 82.6,244.4 82.6,247.875 85.525,247.875 85.525,243.35 71.95,243.35 71.95,238 63.675,238
  lines w0.5: 0,190 4,190

## Silkscreen, mask and mechanical layers (free items; w line width, h text height)
TopOverlay:
  lines w0.15: 29.025,265.175 30.05,265.175 ; 29.05,262.1 30.075,262.1 ; 29.338,264.762 29.75,265.175 29.338,265.588 29.338,264.8 ; 29.363,261.687 29.775,262.1 29.363,262.513 29.363,261.725 ; 29.75,264.8 29.75,265.575 ; 29.775,261.725 29.775,262.5
  text "GPIO64" at 73.35,312.65 h1 r270
  text "GPIO52" at 75.325,312.65 h1 r270
  text "GPIO51" at 77.175,312.625 h1 r270
  text "GND" at 82.725,307.4 h1 r270
  text "GND" at 20.275,298.8 h1 r270
  text "GND" at 137.65,296.025 h1 r270
  text "PWR Fail" at 29.35,295.775 h1 r270
  text "GND" at 208.925,290.875 h1 r270
  text "REF IN" at 207.425,275.625 h1 r270
  text "QBRP" at 137.925,262.325 h1
  text "QBRN" at 137.925,260.225 h1
  text "+3.3V" at 61.85,255.475 h1
  text "PLL OUT N" at 194.375,241.25 h1 r180
  text "PLL OUT P" at 205.3,241.25 h1 r180
  text "COIN BAT CR1220" at 49.425,237.025 h1.2 r270
  text "+2.5V" at 58.375,236.925 h1
  text "+1.8V" at 66.725,236.925 h1
  text "XCVR TX P" at 70.5,223.5 h1 r180
  text "XCVR TX N" at 81.425,223.5 h1 r180
BottomOverlay:
  lines w0.15: 132.675,322.625 133.025,323.525 ; 134.075,322.15 135.175,323 ; 133.025,323.525 132.8,323.175 133.025,323.15 133.025,323.525 ; 135.175,323 134.85,322.9 135.05,322.725 135.175,323
  text "conf done" at 144.225,334.85 h0.85
  text "fpgaLed2" at 143.35,332.9 h0.85
  text "gnd" at 131.225,332.875 h0.85 r90
  text "gpio57" at 141.7,330.725 h0.85
  text "fpgaLed1" at 142.9,328.725 h0.85
TopSolder:
  rectangle: 0.7,298.2 2.3,337.75
  rectangle: 0.7,238.2 2.3,293.3
  rectangle: 0.7,179.9 2.3,218.3
  rectangle: 231.05,298.2 232.65,337.75
  rectangle: 231.05,238.2 232.65,293.3
  rectangle: 231.05,179.9 232.65,218.3
BottomSolder:
  rectangle: 0.7,179.9 2.3,218.3
  rectangle: 0.7,238.2 2.3,293.3
  rectangle: 0.7,298.2 2.3,337.75
  rectangle: 231.05,298.2 232.65,337.75
  rectangle: 231.05,238.2 232.65,293.3
  rectangle: 231.05,179.9 232.65,218.3
Mechanical1:
  rectangle: 55.025,249.65 96.825,250.7
  rectangle: 55.025,246.6 96.825,247.65
  region: 109.725,290.55 109.725,248.75 110.775,248.75 110.775,290.55
  region: 106.675,290.55 106.675,248.75 107.725,248.75 107.725,290.55
  rectangle: 55.025,288.6 96.825,289.65
  rectangle: 55.025,291.65 96.825,292.7
  lines w0.25: 2.575,177.775 2.575,338.275 ; 230.85,177.825 230.85,338.35
Mechanical2:
  lines w0.15: -11.25,340.5 244.6,340.5
  lines w0.25: -11.25,340.5 -11.25,343 ; 244.6,340.5 244.6,343
  lines w0.254: -11.25,343 244.6,343
  lines w0.5: 17.65,334.8 17.65,350.7 ; 119.81,344.7 119.81,242.81 241.725,242.81
Mechanical3:
  the board outline again, w0.5
Mechanical4:
  lines w0.25: 0,178 233.35,178 233.35,338 223.1,338 223.1,340 9.95,340 9.95,338 0,338 0,178
Mechanical 18:
  circle w0.5: c172.225,203.675 r4.018
  circle w0.5: c158.45,203.55 r4.018
  circle w0.5: c75.975,252.95 r2.809
  circle w0.5: c165,219.35 r2.773
  lines w0.5: 4.5,210.8 230.2,210.8

## Text inside footprints (layer, text, board x,y; h text height)
J2: Top Assembly "1" at 8.17,249.075 h1; Top Assembly "ON" at 8.02,252.35 h1
J8: Mechanical1 "Connectro A" at 94.925,290.05 h1.52 r180; Mechanical1 "Connectro C" at 109.325,288.65 h1.52 r270; Mechanical1 "Connectro B" at 94.925,248.05 h1.52 r180
J38: TopOverlay "0" at 223.325,306.91 h1.2 r270; Bottom Mechanical13/Mechanical14 "0" at 223.325,306.91 h1.2 r270
J39: TopOverlay "0" at 223.325,317.56 h1.2 r270; Bottom Mechanical13/Mechanical14 "0" at 223.325,317.56 h1.2 r270